# Altium PCB EVK-IRIS-W1.PcbDoc (part 9 of 9) (continued)
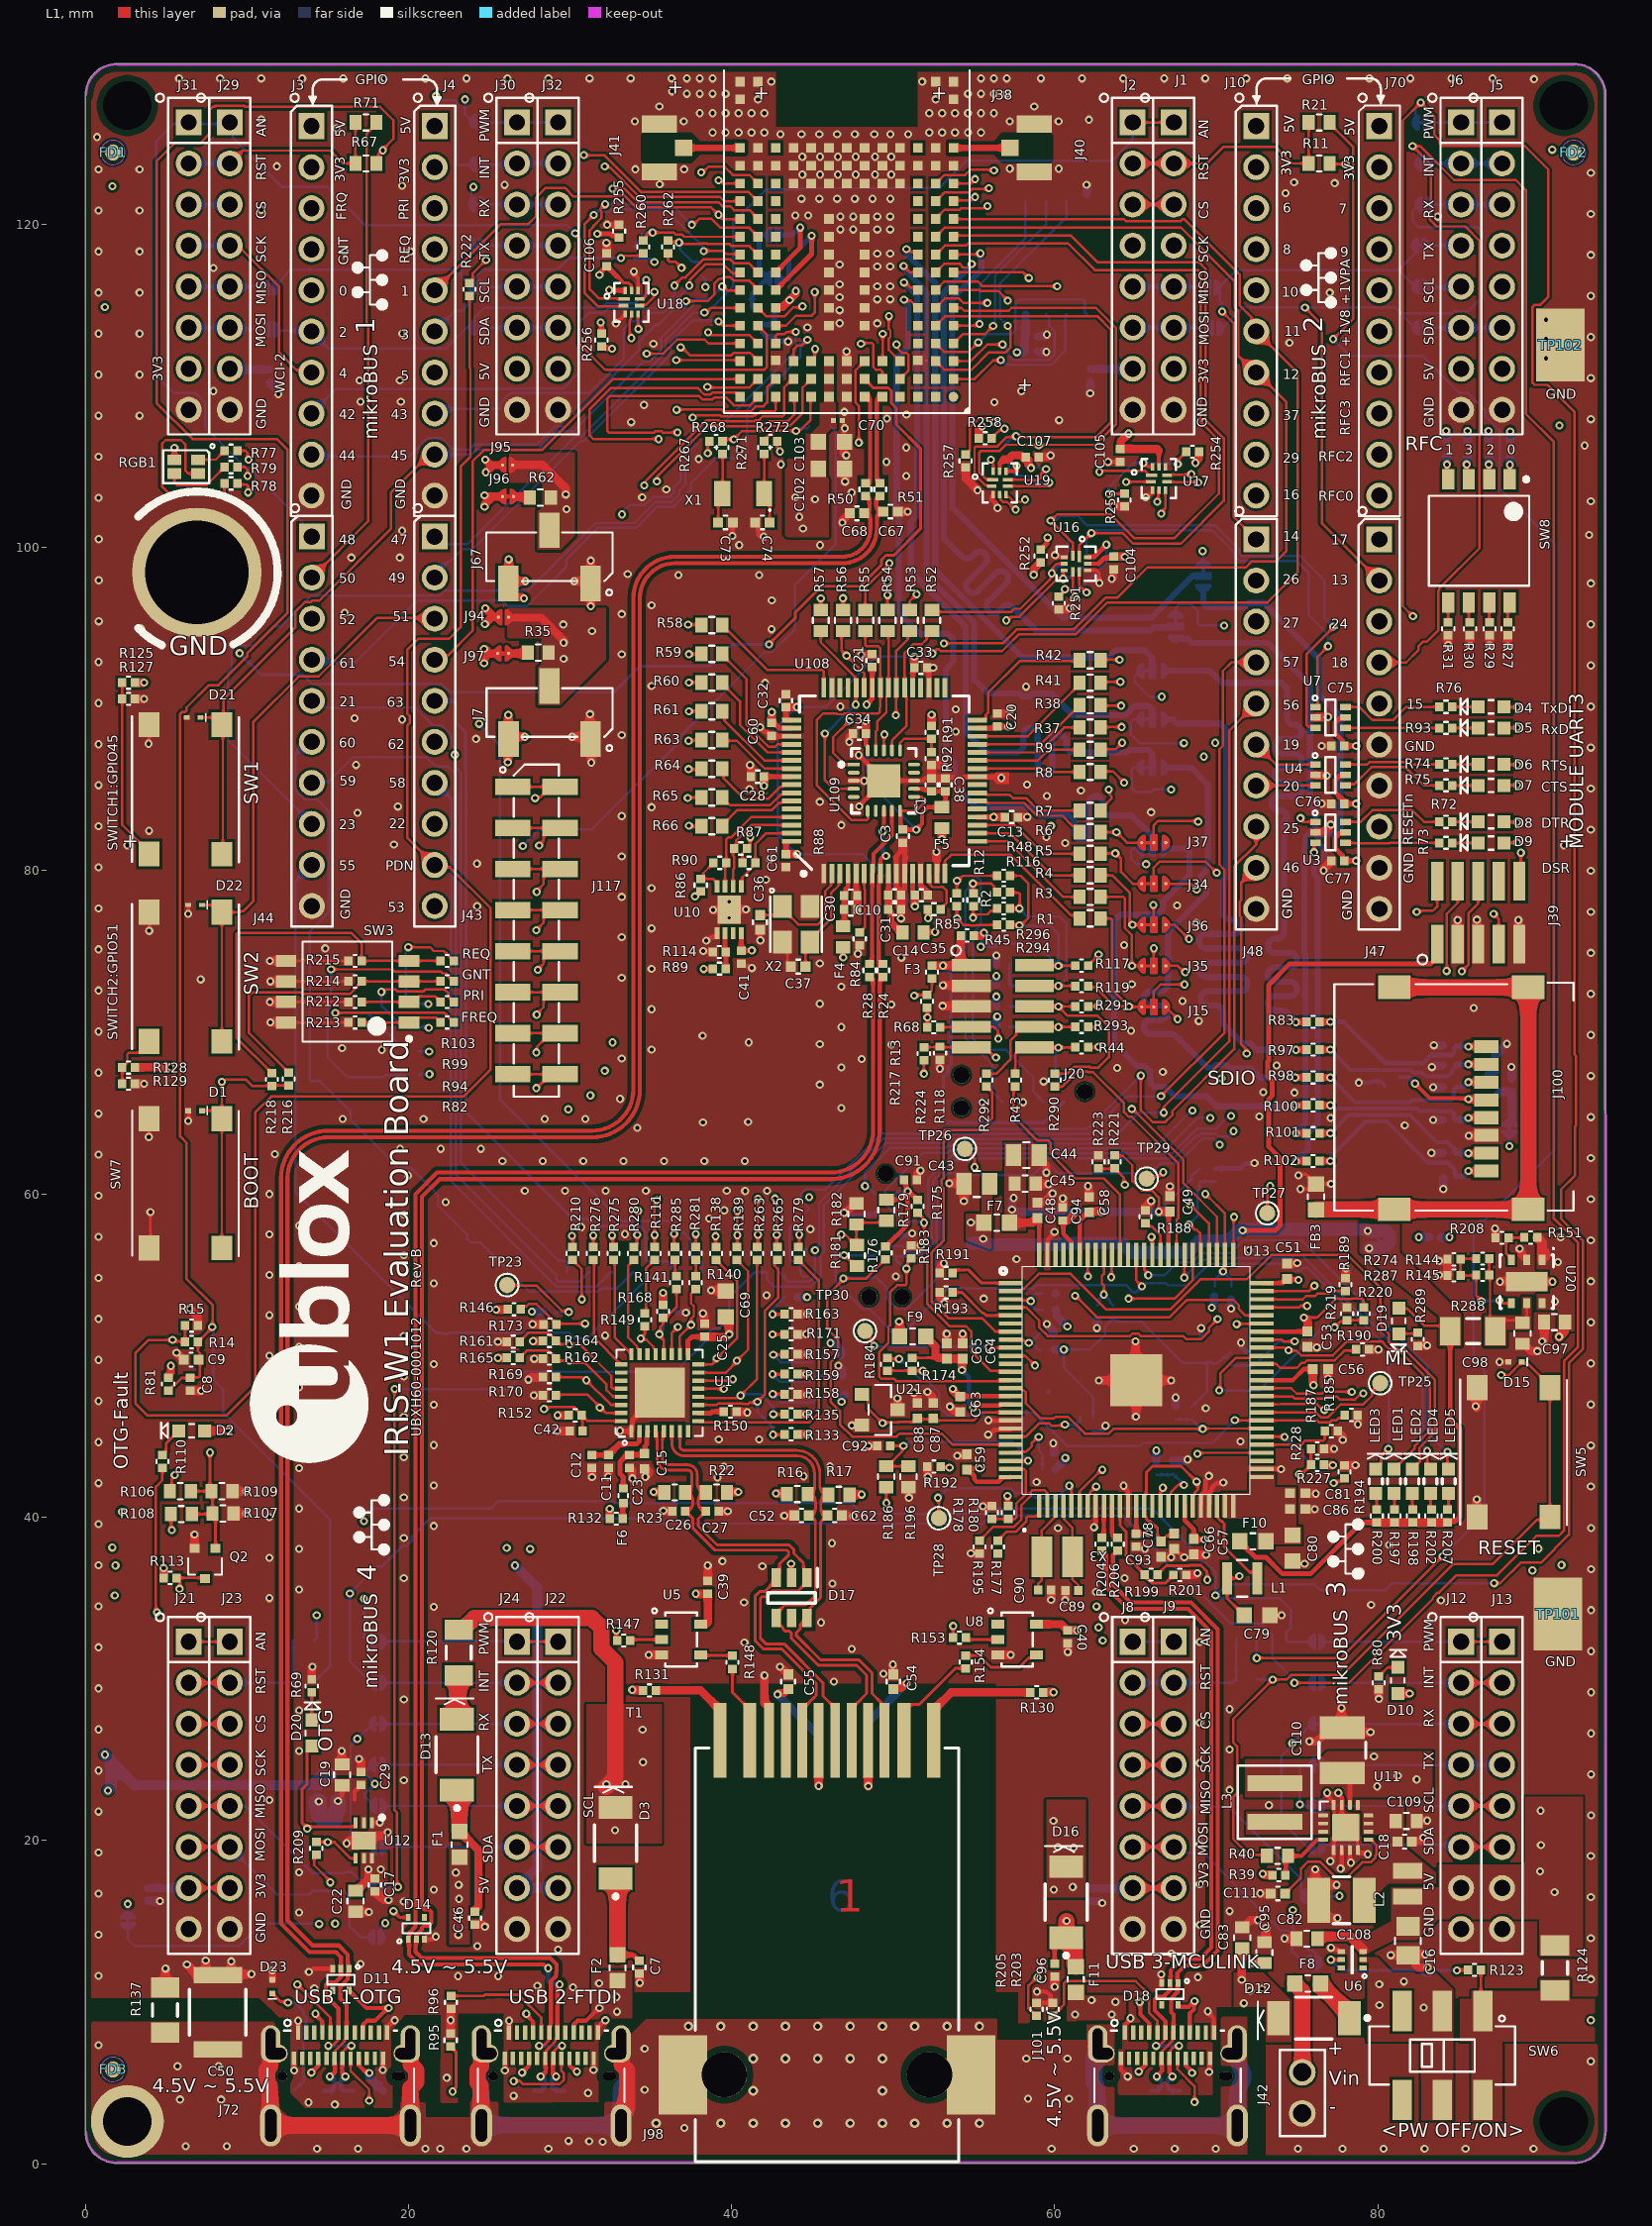
[diagram p0: L1 view]
## Other copper
L1:
  pour cut-out: 89.907,127.329 ccw(c91.507,127.329) 91.507,125.729 ccw(c91.507,127.329) 93.107,127.329 ccw(c91.507,127.329) 91.507,128.929 ccw(c91.507,127.329)
  pour cut-out: 1.007,127.329 ccw(c2.607,127.329) 2.607,125.729 ccw(c2.607,127.329) 4.207,127.329 ccw(c2.607,127.329) 2.607,128.929 ccw(c2.607,127.329)
  pour cut-out: 30.801,46.913 28.874,46.913 28.874,49.301 30.81,49.301
  pour cut-out: 33.531,54.735 33.003,54.735 33.003,57.123 33.002,57.123 33.541,57.123
  pour cut-out: 43.668,47.324 43.149,47.324 43.149,52.121 43.148,52.121 43.687,52.121
  pour cut-out: 75.256,7.442 74.727,7.442 74.727,9.83 74.726,9.83 75.265,9.83
  pour cut-out: 54.687,120.41 54.687,120.754 55.611,120.754 55.611,120.755 55.611,120.406
  pour cut-out: 43.428,115.699 42.063,115.699 42.063,118.567 42.062,118.567 43.44,118.567
  pour cut-out: 42.081,113.26 42.081,122.062 40.977,122.062 39.599,123.44 39.599,113.25
  pour cut-out: 45.507,109.094 43.38,109.094 43.38,111.962 45.519,111.962
  pour cut-out: 49.952,109.614 49.952,109.959 50.876,109.959 50.876,109.611
  pour cut-out: 50.876,113.414 50.876,118.762 51.981,118.762 51.981,113.41
  pour cut-out: 53.442,109.959 53.442,122.062 52.182,122.062 52.181,122.062 52.181,109.954
  pour cut-out: 0.279,10.262 0.33,10.262 10.77,10.262 11.989,9.042 12.687,9.042 12.687,4.382 13.614,3.454 19.025,3.454 19.025,5.582 18.86,5.747 18.923,5.811 18.923,8.23 19.787,9.189 22.028,9.198 21.999,3.759 23.063,3.759 23.063,9.296 25.908,9.296 25.908,3.759 31.75,3.806 31.75,7.62 32.563,8.992 33.856,8.992 33.849,10.617 57.76,10.617 57.76,8.687 61.329,8.687 61.329,8.865 64.181,8.865 64.181,7.061 63.936,7.061 63.897,4.245 69.748,4.245 69.748,7.645 70.005,7.645 70.005,9.703 73.076,9.703 73.076,0.127 72.085,0.127 72.085,9.166 70.256,9.152 70.256,2.946 63.703,2.87 63.703,8.611 61.974,8.598 61.974,7.645 56.439,7.645 56.439,8.989 32.888,8.915 32.117,7.62 32.131,2.87 25.56,2.87 25.583,8.733 23.825,8.733 23.825,2.87 21.057,2.87 21.057,8.687 19.761,8.687 19.075,8.001 19.075,5.867 19.507,5.436 19.507,3.353 19.025,2.87 12.598,2.87 12.04,3.429 12.04,6.172 12.167,6.172 12.497,6.502 12.471,6.528 12.471,7.163 12.421,7.163 12.116,7.468 12.116,8.357 12.065,8.357 11.506,8.915 0.279,8.915
  pour cut-out: 48.288,86.729 48.299,86.74 50.606,86.74 50.606,84.339 50.62,84.324 50.581,84.285 48.221,84.285 48.221,86.715 48.262,86.755
  pour cut-out: 56.363,9.809 56.363,29.715 37.43,29.715 37.43,9.809
  pour cut-out: 59.751,125.672 59.903,125.52 59.903,123.925 59.751,123.772 56.753,123.772 56.218,124.307 54.813,124.307 54.686,124.18 53.4,124.18 53.273,124.28 53.273,125.107 53.4,125.234 54.686,125.235 54.813,125.107 56.218,125.107 56.753,125.672
  pour cut-out: 34.536,123.752 34.383,123.904 34.383,125.499 34.536,125.652 37.534,125.652 38.069,125.117 39.473,125.117 39.601,125.244 40.887,125.244 41.014,125.144 41.014,124.317 40.887,124.19 39.601,124.189 39.473,124.317 38.069,124.317 37.534,123.752
  region net GND: 47.198,85.703 49.001,85.703 49.001,85.424 47.198,85.424 47.198,85.678
  region net GND: 54.615,85.957 54.615,85.678 55.783,85.678 55.808,85.652 56.189,85.652 56.189,85.627 56.443,85.373 57.18,85.373 57.18,86.084 56.367,86.084 56.24,85.957
  region net GND: 52.557,79.201 52.862,79.226 52.887,79.226 52.862,79.252 52.887,80.445 52.938,80.928 52.43,80.928 52.43,80.598 52.557,80.471 52.557,79.226 52.862,79.201 52.887,79.226
  text "1" at 46.439,15.577 h2
L3:
  pour cut-out: 89.907,127.329 ccw(c91.507,127.329) 91.507,125.729 ccw(c91.507,127.329) 93.107,127.329 ccw(c91.507,127.329) 91.507,128.929 ccw(c91.507,127.329)
  pour cut-out: 1.007,127.329 ccw(c2.607,127.329) 2.607,125.729 ccw(c2.607,127.329) 4.207,127.329 ccw(c2.607,127.329) 2.607,128.929 ccw(c2.607,127.329)
  pour cut-out: 0.254,10.262 0.305,10.262 10.744,10.262 11.963,9.042 12.661,9.042 12.661,4.382 13.589,3.454 18.999,3.454 18.999,5.582 18.834,5.747 18.898,5.811 18.898,8.23 19.576,9.209 22.009,9.172 21.973,3.759 23.038,3.759 23.038,9.296 25.883,9.296 25.883,3.759 31.725,3.806 31.725,7.62 32.537,8.992 33.831,8.992 33.824,10.617 57.734,10.617 57.734,8.687 61.303,8.687 61.303,8.865 64.156,8.865 64.156,7.061 63.91,7.061 63.872,4.245 69.723,4.245 69.723,7.645 69.979,7.645 69.979,9.703 73.05,9.703 73.05,0.127 72.06,0.127 72.06,9.166 70.231,9.152 70.231,2.946 63.678,2.87 63.678,8.611 61.949,8.598 61.949,7.62 56.413,7.62 56.413,8.989 32.863,8.915 32.092,7.62 32.106,2.87 25.535,2.87 25.558,8.733 23.8,8.733 23.8,2.87 21.031,2.87 21.031,8.687 19.736,8.687 19.05,8.001 19.05,5.867 19.482,5.436 19.482,3.353 18.999,2.87 12.573,2.87 12.014,3.429 12.014,6.172 12.141,6.172 12.471,6.502 12.446,6.528 12.446,7.163 12.395,7.163 12.09,7.468 12.09,8.357 12.04,8.357 11.481,8.915 0.254,8.915
  pour cut-out: 56.286,8.742 56.286,28.648 39.487,28.648 37.893,27.054 37.893,8.742
  text "3" at 46.185,15.577 h2
L4:
  pour cut-out: 89.907,127.329 ccw(c91.507,127.329) 91.507,125.729 ccw(c91.507,127.329) 93.107,127.329 ccw(c91.507,127.329) 91.507,128.929 ccw(c91.507,127.329)
  pour cut-out: 1.007,127.329 ccw(c2.607,127.329) 2.607,125.729 ccw(c2.607,127.329) 4.207,127.329 ccw(c2.607,127.329) 2.607,128.929 ccw(c2.607,127.329)
  pour cut-out: 0.279,10.262 0.33,10.262 10.77,10.262 11.989,9.042 12.687,9.042 12.687,4.382 13.614,3.454 19.025,3.454 19.025,5.582 18.86,5.747 18.923,5.811 18.923,8.23 19.476,9.165 22.034,9.192 21.999,3.759 23.063,3.759 23.063,9.296 25.908,9.296 25.908,3.759 31.75,3.806 31.75,7.62 32.563,8.992 33.856,8.992 33.849,10.617 57.76,10.617 57.76,8.687 61.329,8.687 61.329,8.865 64.181,8.865 64.181,7.061 63.936,7.061 63.897,4.245 69.748,4.245 69.748,7.645 70.005,7.645 70.005,9.703 73.076,9.703 73.076,0.127 72.085,0.127 72.085,9.166 70.256,9.152 70.256,2.946 63.703,2.87 63.703,8.611 61.974,8.598 61.974,7.645 56.439,7.645 56.439,8.989 32.888,8.915 32.117,7.62 32.131,2.87 25.56,2.87 25.583,8.733 23.825,8.733 23.825,2.87 21.057,2.87 21.057,8.687 19.761,8.687 19.075,8.001 19.075,5.867 19.507,5.436 19.507,3.353 19.025,2.87 12.598,2.87 12.04,3.429 12.04,6.172 12.167,6.172 12.497,6.502 12.471,6.528 12.471,7.163 12.421,7.163 12.116,7.468 12.116,8.357 12.065,8.357 11.506,8.915 0.279,8.915
  pour cut-out: 56.286,9.809 56.286,29.715 37.43,29.715 37.43,9.809
  text "4" at 45.931,15.577 h2
L2:
  pour cut-out: 0.279,10.262 0.33,10.262 10.77,10.262 11.989,9.042 12.687,9.042 12.687,4.382 13.614,3.454 19.025,3.454 19.025,5.582 18.86,5.747 18.923,5.811 18.923,8.23 19.551,9.239 22.035,9.261 21.999,3.759 23.063,3.759 23.063,9.296 25.908,9.296 25.908,3.759 31.75,3.806 31.75,7.62 32.563,8.992 33.856,8.992 33.849,10.617 57.76,10.617 57.76,8.687 61.329,8.687 61.329,8.865 64.181,8.865 64.181,7.061 63.936,7.061 63.897,4.245 69.748,4.245 69.748,7.645 70.005,7.645 70.005,9.703 73.076,9.703 73.076,0.127 72.085,0.127 72.085,9.166 70.256,9.152 70.256,2.946 63.703,2.87 63.703,8.611 61.974,8.598 61.974,7.62 56.439,7.62 56.439,8.989 32.888,8.915 32.117,7.62 32.131,2.87 25.56,2.87 25.583,8.733 23.825,8.733 23.825,2.87 21.057,2.87 21.057,8.687 19.761,8.687 19.075,8.001 19.075,5.867 19.507,5.436 19.507,3.353 19.025,2.87 12.598,2.87 12.04,3.429 12.04,6.172 12.167,6.172 12.497,6.502 12.471,6.528 12.471,7.163 12.421,7.163 12.116,7.468 12.116,8.357 12.065,8.357 11.506,8.915 0.279,8.915
  pour cut-out: 56.312,9.809 56.312,27.682 37.465,27.682 37.465,9.809
  text "2" at 45.931,15.577 h2
L5:
  pour cut-out: 0.279,10.262 0.33,10.262 10.77,10.262 11.989,9.042 12.687,9.042 12.687,4.382 13.614,3.454 19.025,3.454 19.025,5.582 18.86,5.747 18.923,5.811 18.923,8.23 19.507,9.166 22.034,9.21 21.999,3.759 23.063,3.759 23.063,9.296 25.908,9.296 25.908,3.759 31.75,3.806 31.75,7.62 32.563,8.992 33.856,8.992 33.849,10.617 57.76,10.617 57.76,8.687 61.329,8.687 61.329,8.865 64.181,8.865 64.181,7.061 63.936,7.061 63.892,3.806 69.748,3.806 69.748,7.645 70.005,7.645 70.005,9.703 73.076,9.703 73.076,0.127 72.085,0.127 72.085,9.166 70.256,9.152 70.256,2.946 63.703,2.87 63.703,8.611 61.974,8.598 61.974,7.62 56.439,7.62 56.439,8.989 32.888,8.915 32.117,7.62 32.131,2.87 25.56,2.87 25.583,8.733 23.825,8.733 23.825,2.87 21.057,2.87 21.057,8.687 19.761,8.687 19.075,8.001 19.075,5.867 19.507,5.436 19.507,3.353 19.025,2.87 12.598,2.87 12.04,3.429 12.04,6.172 12.167,6.172 12.497,6.502 12.471,6.528 12.471,7.163 12.421,7.163 12.116,7.468 12.116,8.357 12.065,8.357 11.506,8.915 0.279,8.915
  pour cut-out: 56.286,9.779 56.286,29.99 37.388,29.99 37.388,9.779
  text "5" at 46.185,15.577 h2
L6:
  pour cut-out: 89.907,127.329 ccw(c91.507,127.329) 91.507,125.729 ccw(c91.507,127.329) 93.107,127.329 ccw(c91.507,127.329) 91.507,128.929 ccw(c91.507,127.329)
  pour cut-out: 1.007,127.329 ccw(c2.607,127.329) 2.607,125.729 ccw(c2.607,127.329) 4.207,127.329 ccw(c2.607,127.329) 2.607,128.929 ccw(c2.607,127.329)
  pour cut-out: 0.279,10.262 0.33,10.262 10.77,10.262 11.989,9.042 12.687,9.042 12.687,4.382 13.614,3.454 19.025,3.454 19.025,5.582 18.86,5.747 18.923,5.811 18.923,8.23 19.415,9.18 22.034,9.202 21.999,3.759 23.063,3.759 23.063,9.296 25.908,9.296 25.908,3.759 31.75,3.806 31.75,7.62 32.563,8.992 33.856,8.992 33.849,10.617 57.76,10.617 57.76,8.687 61.329,8.687 61.329,8.865 64.181,8.865 64.181,7.061 63.936,7.061 63.897,4.245 69.748,4.245 69.748,7.645 70.005,7.645 70.005,9.703 73.076,9.703 73.076,0.127 72.085,0.127 72.085,9.166 70.256,9.152 70.256,2.946 63.703,2.87 63.703,8.611 61.974,8.598 61.974,7.645 56.439,7.645 56.439,8.989 32.888,8.915 32.117,7.62 32.131,2.87 25.56,2.87 25.583,8.733 23.825,8.733 23.825,2.87 21.057,2.87 21.057,8.687 19.761,8.687 19.075,8.001 19.075,5.867 19.507,5.436 19.507,3.353 19.025,2.87 12.598,2.87 12.04,3.429 12.04,6.172 12.167,6.172 12.497,6.502 12.471,6.528 12.471,7.163 12.421,7.163 12.116,7.468 12.116,8.357 12.065,8.357 11.506,8.915 0.279,8.915
  pour cut-out: 56.337,9.809 56.337,29.99 37.388,29.99 37.388,9.809
  text "6" at 45.931,15.577 h2
Multi-Layer:
  pour cut-out: 42.731,126.012 51.531,126.012 51.525,126.018 51.525,129.419 42.729,129.419 42.725,129.423
  pour cut-out: 45.277,18.479 48.071,18.479 48.071,14.669 45.277,14.669

## Silkscreen, mask and mechanical layers (free items; w line width, h text height)
Top Overlay:
  drawing of 96 lines, arcs and shapes, not listed
  text "GPIO" at 16.711,128.627 h0.61
  text "GPIO" at 75.316,128.627 h0.61
  text "+" at 36.009,127.738 h1.52
  text "+" at 41.349,127.37 h1.5
  text "+" at 52.349,127.37 h1.5
  text "5V" at 74.808,125.632 h0.61 r90
  text "5V" at 74.808,125.632 h0.61 r90
  text "5V" at 20.147,125.53 h0.61 r90
  text "5V" at 78.567,125.454 h0.61 r90
  text "5V" at 78.567,125.454 h0.61 r90
  text "AN" at 11.19,125.396 h0.61 r90
  text "5V" at 16.108,125.353 h0.61 r90
  text "AN" at 69.53,125.296 h0.61 r90
  text "PWM" at 83.475,125.221 h0.61 r90
  text "PWM" at 25.03,125.096 h0.61 r90
  text "3V3" at 74.626,122.967 h0.61 r90
  text "3V3" at 74.626,122.967 h0.61 r90
  text "INT" at 83.47,122.896 h0.61 r90
  text "INT" at 25.03,122.796 h0.61 r90
  text "RST" at 11.19,122.696 h0.61 r90
  text "RST" at 69.53,122.696 h0.61 r90
  text "3V3" at 78.526,122.671 h0.61 r90
  text "3V3" at 78.526,122.671 h0.61 r90
  text "3V3" at 16.067,122.569 h0.61 r90
  text "3V3" at 20.055,122.468 h0.61 r90
  text "6" at 74.125,120.701 h0.61
  text "7" at 77.57,120.625 h0.61
  text "RX" at 25.03,120.396 h0.61 r90
  text "RX" at 83.475,120.341 h0.61 r90
  text "CS" at 11.19,120.296 h0.61 r90
  text "CS" at 69.53,120.296 h0.61 r90
  text "FRQ" at 16.155,120.25 h0.61 r90
  text "PRI" at 20.016,120.25 h0.61 r90
  text "8" at 74.125,118.11 h0.61
  text "9" at 77.672,117.983 h0.61
  text "TX" at 25.03,117.796 h0.61 r90
  text "TX" at 83.475,117.801 h0.61 r90
  text "SCK" at 11.19,117.596 h0.61 r90
  text "SCK" at 69.53,117.596 h0.61 r90
  text "REQ" at 20.092,117.557 h0.61 r90
  text "GNT" at 16.299,117.441 h0.61 r90
  text "0" at 15.702,115.55 h0.61
  text "1" at 19.547,115.55 h0.61
  text "10" at 74.065,115.494 h0.61
  text "SCL" at 25.03,115.096 h0.61 r90
  text "SCL" at 83.47,115.096 h0.61 r90
  text "+1VPA" at 78.281,115.011 h0.61 r90
  text "MISO" at 11.19,114.996 h0.61 r90
  text "MISO" at 69.53,114.996 h0.61 r90
  text "2" at 76.959,113.277 h2 r90
  text "1" at 18.31,113.176 h2 r90
  text "11" at 74.192,113.081 h0.61
  text "2" at 15.702,112.995 h0.61
  text "3" at 19.547,112.851 h0.61
  text "SDA" at 83.475,112.521 h0.61 r90
  text "SDA" at 25.03,112.496 h0.61 r90
  text "MOSI" at 69.544,112.497 h0.61 r90
  text "+1V8" at 78.281,112.395 h0.61 r90
  text "MOSI" at 11.174,112.37 h0.61 r90
  text "4" at 15.702,110.459 h0.61
  text "12" at 74.125,110.388 h0.61
  text "5" at 19.547,110.311 h0.61
  text "5V" at 25.03,110.296 h0.61 r90
  text "5V" at 83.47,110.296 h0.61 r90
  text "3V3" at 4.801,110.242 h0.61 r90
  text "3V3" at 69.53,110.096 h0.61 r90
  text "RFC1" at 78.271,109.957 h0.61 r90
  text "WCI-2" at 12.368,109.525 h0.61 r90
  text "+" at 57.664,109.318 h1.5
  text "GND" at 90.378,109.163 h0.61
  text "42" at 15.702,107.93 h0.61
  text "43" at 18.912,107.93 h0.61
  text "37" at 74.125,107.848 h0.61
  text "GND" at 25.03,107.396 h0.61 r90
  text "GND" at 69.43,107.396 h0.61 r90
  text "GND" at 83.47,107.396 h0.61 r90
  text "GND" at 11.19,107.296 h0.61 r90
  text "RFC3" at 78.271,106.909 h0.61 r90
  text "mikroBUS" at 18.389,106.656 h1.5 r90
  text "mikroBUS" at 77.097,106.657 h1.5 r90
  text "1" at 84.155,105.744 h0.61
  text "3" at 85.349,105.744 h0.61
  text "2" at 86.695,105.744 h0.61
  text "0" at 87.991,105.744 h0.61
  text "RFC" at 81.686,105.689 h1.5
  text "44" at 15.702,105.39 h0.61
  text "45" at 18.912,105.39 h0.61
  text "RFC2" at 76.325,105.308 h0.61
  text "29" at 74.125,105.232 h0.61
  text "16" at 74.125,102.946 h0.61
  text "RFC0" at 76.325,102.87 h0.61
  text "GND" at 19.811,102.344 h0.61 r90
  text "GND" at 16.459,102.319 h0.61 r90
  text "14" at 74.125,100.381 h0.61
  text "48" at 15.702,100.151 h0.61
  text "47" at 18.912,100.151 h0.61
  text "17" at 77.125,100.152 h0.61
  text "49" at 18.776,97.819 h0.61
  text "50" at 15.702,97.77 h0.61
  text "26" at 74.125,97.714 h0.61
  text "13" at 77.125,97.688 h0.61
  text "51" at 19.03,95.419 h0.61
  text "52" at 15.702,95.23 h0.61
  text "27" at 74.125,95.021 h0.61
  text "24" at 77.125,94.945 h0.61
  text "GND" at 5.197,92.925 h2
  text "54" at 18.776,92.619 h0.61
  text "57" at 74.125,92.583 h0.61
  text "18" at 77.125,92.558 h0.61
  text "61" at 15.722,92.523 h0.61
  text "21" at 15.722,90.146 h0.61
  text "63" at 18.674,90.119 h0.61
  text "15" at 81.785,89.985 h0.61
  text "56" at 74.125,89.941 h0.61
  text "TxD" at 90.127,89.738 h0.61
  text "RxD" at 90.127,88.438 h0.61
  text "60" at 15.702,87.61 h0.61
  text "62" at 18.75,87.519 h0.61
  text "19" at 74.125,87.478 h0.61
  text "GND" at 81.659,87.401 h0.61
  text "RTS" at 90.127,86.182 h0.61
  text "59" at 15.722,85.229 h0.61
  text "58" at 18.801,85.119 h0.61
  text "20" at 74.125,84.912 h0.61
  text "CTS" at 90.127,84.882 h0.61
  text "DTR" at 90.127,82.626 h0.61
  text "22" at 18.801,82.599 h0.61
  text "23" at 15.702,82.53 h0.61
  text "25" at 74.125,82.296 h0.61
  text "RESETn" at 82.167,81.559 h0.61 r90
  text "MODULE UART3" at 93.038,81.331 h1.5 r90
  text "SWITCH1:GPIO45" at 2,81.235 h0.61 r90
  text "+" at 2.275,81.093 h1.52
  text "+" at 91.175,81.093 h1.52
  text "55" at 15.702,79.99 h0.61
  text "PDN" at 18.577,79.99 h0.61
  text "46" at 74.125,79.889 h0.61
  text "DSR" at 90.149,79.856 h0.61
  text "GND" at 82.218,79.197 h0.61 r90
  text "53" at 18.742,77.436 h0.61
  text "GND" at 16.418,76.974 h0.61 r90
  text "GND" at 74.702,76.993 h0.61 r90
  text "GND" at 74.702,76.993 h0.61 r90
  text "GND" at 78.41,76.917 h0.61 r90
  text "GND" at 78.41,76.917 h0.61 r90
  text "REQ" at 23.341,74.548 h0.61
  text "GNT" at 23.341,73.262 h0.61
  text "PRI" at 23.393,71.984 h0.61
  text "FREQ" at 23.266,70.637 h0.61
  text "SWITCH2:GPIO51" at 2,69.526 h0.61 r90
  text "SDIO" at 69.444,66.421 h1.5
  text "BOOT" at 11,59.03 h1.5 r90
  text "Rev B" at 20.8,54.162 h0.61 r90
  text "ML" at 80.44,49.098 h1.5
  text "UBXH60-0001012" at 20.8,44.983 h0.61 r90
  text "IRIS-W1 Evaluation Board" at 20.472,43.739 h2.54 r90
  text "OTG-Fault" at 2.943,42.958 h1.5 r90
  text "RESET" at 86.181,37.363 h1.5
  text "4" at 18.398,36.068 h2 r90
  text "3" at 78.39,35.001 h2 r90
  text "3V3" at 81.742,32.288 h1.5 r90
  text "AN" at 69.636,31.976 h0.61 r90
  text "AN" at 11.165,31.748 h0.61 r90
  text "PWM" at 83.476,31.676 h0.61 r90
  text "PWM" at 25.005,31.448 h0.61 r90
  text "GND" at 90.353,30.754 h0.61
  text "INT" at 83.476,29.376 h0.61 r90
  text "mikroBUS" at 18.398,29.362 h1.5 r90
  text "RST" at 69.636,29.276 h0.61 r90
  text "INT" at 25.005,29.148 h0.61 r90
  text "RST" at 11.165,29.048 h0.61 r90
  text "mikroBUS" at 78.433,28.362 h1.5 r90
  text "RX" at 83.476,26.976 h0.61 r90
  text "CS" at 69.636,26.876 h0.61 r90
  text "RX" at 25.005,26.748 h0.61 r90
  text "CS" at 11.165,26.648 h0.61 r90
  text "OTG" at 15.619,25.476 h1.5 r90
  text "TX" at 83.476,24.376 h0.61 r90
  text "SCK" at 69.636,24.176 h0.61 r90
  text "TX" at 25.195,24.155 h0.61 r90
  text "SCK" at 11.165,23.948 h0.61 r90
  text "SCL" at 83.476,21.676 h0.61 r90
  text "MISO" at 69.636,21.576 h0.61 r90
  text "SCL" at 31.469,21.387 h0.61 r90
  text "MISO" at 11.149,21.336 h0.61 r90
  text "SDA" at 83.476,19.076 h0.61 r90
  text "MOSI" at 69.493,19.025 h0.61 r90
  text "MOSI" at 11.124,18.669 h0.61 r90
  text "SDA" at 25.246,18.593 h0.61 r90
  text "3V3" at 69.52,17.05 h0.61 r90
  text "5V" at 83.476,16.876 h0.61 r90
  text "5V" at 25.005,16.648 h0.61 r90
  text "3V3" at 11.165,16.348 h0.61 r90
  text "GND" at 83.476,13.976 h0.61 r90
  text "GND" at 69.636,13.876 h0.61 r90
  text "GND" at 11.165,13.648 h0.61 r90
  text "USB 3-MCULINK" at 63.143,11.76 h1.5
  text "4.5V ~ 5.5V" at 18.947,11.455 h1.5
  text "USB 1-OTG" at 12.958,9.576 h1.5
  text "USB 2-FTDI" at 26.211,9.576 h1.5
  text "+" at 76.888,6.411 h1.5
  text "Vin" at 76.966,4.55 h1.5
  text "4.5V ~ 5.5V" at 4.166,4.089 h1.5
  text "-" at 77.001,2.812 h1.5
  text "4.5V ~ 5.5V" at 60.705,2.235 h1.5 r90
  text "<PW OFF/ON>" at 80.213,1.346 h1.5
  text ".Layer_Name" at 215.73,-11.166 h0.61
Bottom Overlay:
  drawing of 463 lines, arcs and shapes, not listed
  text "GPIO" at 18.806,128.853 h0.61
  text "GPIO" at 77.912,128.752 h0.61
  text "5V" at 74.801,126.619 h0.61 r90
  text "5V" at 15.809,126.567 h0.61 r90
  text "5V" at 20.406,126.567 h0.61 r90
  text "5V" at 78.535,126.441 h0.61 r90
  text "PWM" at 32.116,126.009 h0.61
  text "AN" at 63.154,125.983 h0.61
  text "AN" at 4.988,125.932 h0.61
  text "PWM" at 89.139,125.602 h0.61 r270
  text "3V3" at 74.624,124.562 h0.61 r90
  text "3V3" at 20.33,124.256 h0.61 r90
  text "3V3" at 78.51,124.257 h0.61 r90
  text "3V3" at 15.707,124.205 h0.61 r90
  text "INT" at 32.268,123.621 h0.61
  text "RST" at 5.014,123.545 h0.61
  text "INT" at 90.713,123.545 h0.61
  text "RST" at 63.332,123.418 h0.61
  text "SRAM" at 60.196,122.377 h0.61
  text "FRQ" at 15.809,121.64 h0.61 r90
  text "PRI" at 20.508,121.64 h0.61 r90
  text "CS" at 63.575,120.955 h0.61
  text "RX" at 90.459,120.852 h0.61
  text "CS" at 4.658,120.776 h0.61
  text "6" at 74.497,120.752 h0.61
  text "7" at 77.875,120.625 h0.61
  text "RX" at 33.755,119.583 h0.61 r270
  text "REQ" at 20.533,119.278 h0.61 r90
  text "GNT" at 15.783,118.998 h0.61 r90
  text "SCK" at 4.734,118.49 h0.61
  text "TX" at 90.764,118.16 h0.61
  text "8" at 74.547,118.059 h0.61
  text "9" at 78.078,118.008 h0.61
  text "SCK" at 63.219,117.983 h0.61 r270
  text "+VPA" at 78.23,117.221 h0.61 r90
  text "SCL" at 32.42,115.849 h0.61
  text "MISO" at 4.811,115.722 h0.61
  text "SCL" at 90.739,115.645 h0.61
  text "0" at 15.783,115.55 h0.61
  text "1" at 20.228,115.55 h0.61
  text "10" at 74.903,115.468 h0.61
  text "MISO" at 63.219,115.062 h0.61 r270
  text "1" at 17.497,114.977 h2 r270
  text "+1V8" at 78.256,114.529 h0.61 r90
  text "2" at 76.171,114.09 h2 r270
  text "SDA" at 32.217,113.309 h0.61
  text "MOSI" at 4.709,113.283 h0.61
  text "11" at 74.903,113.055 h0.61
  text "3" at 20.228,113.01 h0.61
  text "2" at 15.783,112.851 h0.61
  text "SDA" at 88.885,112.851 h0.61 r270
  text "MOSI" at 63.117,112.471 h0.61 r270
  text "5V" at 32.014,110.794 h0.61
  text "3V3" at 70.509,110.744 h0.61
  text "3V3" at 4.836,110.692 h0.61
  text "5V" at 88.885,110.438 h0.61 r270
  text "12" at 74.954,110.363 h0.61
  text "4" at 15.783,110.311 h0.61
  text "5" at 20.228,110.311 h0.61
  text "RFC1" at 77.672,110.033 h0.61 r270
  text "GND" at 92.278,109.83 h0.61 r180
  text "GND" at 90.51,108.762 h0.61 r180
  text "GND" at 70.255,108.61 h0.61 r180
  text "GND" at 4.811,108.406 h0.61
  text "mikroBUS" at 17.345,108.297 h1.5 r270
  text "GND" at 63.231,108.178 h0.61
  text "GND" at 30.693,108.152 h0.61
  text "37" at 75.005,107.848 h0.61
  text "42" at 16.418,107.771 h0.61
  text "43" at 20.228,107.771 h0.61
  text "mikroBUS" at 76.12,107.408 h1.5 r270
  text "RFC3" at 77.722,106.909 h0.61 r270
  text "29" at 74.954,105.359 h0.61
  text "RFC2" at 78.408,105.283 h0.61
  text "44" at 16.418,105.231 h0.61
  text "45" at 20.228,105.231 h0.61
  text "GND" at 19.811,103.898 h0.61 r90
  text "16" at 74.979,102.946 h0.61
  text "GND" at 12.873,102.907 h0.61
  text "GND" at 8.657,102.875 h2
  text "RFC0" at 78.484,102.87 h0.61
  text "14" at 74.979,100.406 h0.61
  text "48" at 16.418,100.151 h0.61
  text "47" at 20.228,100.151 h0.61
  text "17" at 77.951,100.152 h0.61
  text "RFC1" at 84.047,100 h0.61 r270
  text "RFC3" at 85.292,100 h0.61 r270
  text "RFC2" at 86.612,100 h0.61 r270
  text "RFC0" at 87.908,100 h0.61 r270
  text "50" at 16.418,97.77 h0.61
  text "49" at 20.228,97.77 h0.61
  text "13" at 78.027,97.765 h0.61
  text "26" at 75.106,97.714 h0.61
  text "52" at 16.418,95.23 h0.61
  text "51" at 20.228,95.23 h0.61
  text "27" at 74.954,95.072 h0.61
  text "24" at 78.129,94.945 h0.61
  text "61" at 16.418,92.69 h0.61
  text "54" at 20.228,92.69 h0.61
  text "57" at 74.979,92.583 h0.61
  text "18" at 78.027,92.558 h0.61
  text "GND" at 7.339,91.846 h0.61
  text "21" at 16.418,90.15 h0.61
  text "63" at 20.228,90.15 h0.61
  text "56" at 75.106,89.967 h0.61
  text "15" at 78.562,89.865 h0.61
  text "GND" at 78.485,88.404 h0.61 r90
  text "60" at 16.418,87.61 h0.61
  text "62" at 20.228,87.61 h0.61
  text "19" at 75.03,87.503 h0.61
  text "GND" at 78.612,85.864 h0.61 r90
  text "59" at 16.418,85.07 h0.61
  text "58" at 20.228,85.07 h0.61
  text "20" at 75.106,84.988 h0.61
  text "RESETn" at 82.128,84.53 h0.61 r90
  text "23" at 16.418,82.689 h0.61
  text "22" at 20.228,82.689 h0.61
  text "25" at 75.106,82.321 h0.61
  text "PDN" at 20.559,80.009 h0.61
  text "55" at 16.418,79.99 h0.61
  text "46" at 74.977,79.9 h0.61
  text "GND" at 81.405,79.096 h0.61 r270
  text "GND" at 12.583,78.587 h0.61 r90
  text "GND" at 71.181,77.495 h0.61
  text "53" at 20.266,77.461 h0.61
  text "GND" at 82.752,77.191 h0.61
  text "ISP0" at 18.873,71.449 h0.61
  text "ISP2" at 18.873,70.001 h0.61
  text "ISP3" at 18.873,68.604 h0.61
  text "ISP1" at 18.873,66.953 h0.61
  text "Module SWD" at 49.759,65.913 h2
  text "ML SWD" at 53.569,53.416 h2 r270
  text "PWM" at 32.522,39.928 h0.61
  text "INT" at 32.674,37.54 h0.61
  text "RX" at 32.42,34.848 h0.61
  text "4" at 15.215,32.969 h2 r270
  text "TX" at 32.725,32.156 h0.61
  text "AN" at 63.281,32.157 h0.61
  text "AN" at 5.268,32.055 h0.61
  text "PWM" at 83.514,32.004 h0.61
  text "GND" at 91.965,31.283 h0.61 r180
  text "SCL" at 32.7,29.641 h0.61
  text "RST" at 5.065,29.515 h0.61
  text "INT" at 91.247,29.464 h0.61
  text "RST" at 63.358,29.363 h0.61
  text "SDA" at 32.624,27.228 h0.61
  text "CS" at 63.129,27.051 h0.61
  text "CS" at 4.963,27.026 h0.61
  text "RX" at 90.993,26.772 h0.61
  text "mikroBUS" at 15.213,26.187 h1.5 r270
  text "3" at 72.154,25.3 h2 r270
  text "5V" at 32.42,24.713 h0.61
  text "SCK" at 4.861,24.562 h0.61
  text "SCK" at 63.256,24.181 h0.61
  text "TX" at 91.298,24.079 h0.61
  text "GND" at 31.201,22.25 h0.61
  text "MISO" at 63.281,21.92 h0.61
  text "MISO" at 4.785,21.692 h0.61
  text "SCL" at 91.272,21.565 h0.61
  text "MOSI" at 63.053,19.253 h0.61
  text "SDA" at 91.196,19.152 h0.61
  text "MOSI" at 4.811,18.974 h0.61
  text "mikroBUS" at 72.209,18.433 h1.5 r270
  text "3V3" at 70.534,16.789 h0.61
  text "3V3" at 11.835,16.764 h0.61
  text "5V" at 88.91,16.536 h0.61 r270
  text ".GlobalProjectLink" at 55.04,16.104 h1.91
  text "GND" at 63.078,14.377 h0.61
  text "GND" at 11.809,14.173 h0.61
  text "GND" at 84.008,13.615 h0.61 r90
  text "RoHS" at 31.875,11.811 h0.61 r270
  text ".Layer_Name" at 215.73,-32.172 h0.61
Top Paste:
  rectangle: 209.126,-8.854 213.952,-6.441
  lines w0.2: 209.126,-8.854 232.494,-8.854 232.494,-6.441 209.126,-6.441
  text ".Layer_Name" at 215.73,-8.169 h0.61
Bottom Paste:
  rectangle: 209.126,-35.855 213.952,-33.442
  lines w0.2: 232.494,-35.855 209.126,-35.855 209.126,-33.442 232.494,-33.442
  text ".Layer_Name" at 215.73,-35.169 h0.61
Top Solder:
  rectangle: 209.126,-14.849 213.952,-12.436
  lines w0.2: 209.126,-14.849 232.494,-14.849 232.494,-12.436 209.126,-12.436 209.126,-14.849
  text ".Layer_Name" at 215.73,-14.163 h0.61
Bottom Solder:
  rectangle: 209.126,-29.86 213.952,-27.447
  lines w0.2: 209.126,-29.86 209.126,-27.447 232.494,-27.447 232.494,-29.86 209.126,-29.86
  text ".Layer_Name" at 215.73,-29.174 h0.61
Route Tool Path:
  rectangle: 209.126,18.134 213.952,20.547
  lines w0.2: 209.126,18.134 232.494,18.134 232.494,20.547 209.126,20.547 209.126,18.134
  text ".Layer_Name" at 215.73,18.819 h0.61
Border & Title:
  drawing of 52 lines, arcs and shapes, not listed
  text "1" at -0.948,136.304 h0.61
  text "2" at 68.919,136.304 h0.61
  text "3" at 138.642,136.304 h0.61
  text "4" at 208.518,136.304 h0.61
  text "REVISION" at 189.524,130.402 h0.61
  text "REV" at 153.71,126.084 h0.61
  text "DESCRIPTION" at 164.632,126.084 h0.61
  text "DATE" at 214.416,126.084 h0.61
  text "BY" at 230.418,126.084 h0.61
  text "Rev1" at 153.71,122.274 h0.61
  text ".ReleaseDesc1" at 164.632,122.274 h0.61
  text ".ReleaseBy1" at 229.148,122.274 h0.61
  text ".ReleaseDate1" at 212.384,122.02 h0.61
  text ".ReleaseBy2" at 229.148,118.464 h0.61
  text ".ReleaseDate2" at 212.384,118.21 h0.61
  text ".ReleaseRev2" at 152.942,115.438 h0.61
  text ".ReleaseDesc2" at 163.864,115.438 h0.61
  text ".ReleaseDate3" at 212.384,114.654 h0.61
  text ".ReleaseBy3" at 229.148,114.654 h0.61
  text ".ReleaseRev3" at 152.942,111.628 h0.61
  text ".ReleaseDesc3" at 163.864,111.628 h0.61
  text "A" at -33.367,110.446 h0.61
  text "A" at 240.953,110.446 h0.61
  text "B" at -33.367,56.471 h0.61
  text "B" at 240.953,56.471 h0.61
  text "LAYER USAGE" at 210.396,21.956 h0.61
  text "C" at -33.367,2.496 h0.61
  text "C" at 240.953,2.496 h0.61
  text "D" at -33.367,-51.352 h0.61
  text "D" at 240.953,-51.352 h0.61
  text "PROJECT:" at 163.56,-54.603 h0.61
  text "ENGINEER:" at 125.053,-54.628 h0.61
  text ".ProjectEngineer" at 136.692,-56.288 h0.61
  text ".GlobalProjectName" at 174.538,-56.288 h0.61
  text "PCB NAME:" at 163.433,-60.038 h0.61
  text "DATE:" at 125.129,-60.14 h0.61
  text "REV:" at 216.747,-60.369 h0.61
  text ".GlobalProjectRevision" at 223.996,-62.263 h0.61
  text ".GlobalReleaseDate" at 132.374,-62.384 h0.61
  text ".PCBName" at 174.538,-62.384 h0.61
  text "DWG NO:" at 125.262,-66.448 h0.61
  text "FILE NAME:" at 163.362,-66.448 h0.61
  text "SCALE:" at 216.62,-66.642 h0.61
  text "CONFIDENTIAL" at 95.655,-68.575 h0.61
  text ".Pcb_File_Name_No_Path" at 165.648,-69.242 h0.61
  text "1:1" at 225.332,-69.36 h0.61
  text ".PCBDocNum" at 131.866,-69.496 h0.61
  text "1" at -0.948,-74.516 h0.61
  text "2" at 68.919,-74.516 h0.61
  text "3" at 138.642,-74.516 h0.61
  text "4" at 208.518,-74.516 h0.61
Fabrication Notes:
  rectangle: 209.126,15.25 213.952,17.663
  lines w0.2: 209.126,15.25 232.494,15.25 232.494,17.663 209.126,17.663 209.126,15.25
  text ".Layer_Name" at 215.73,15.936 h0.61
Rigid Outline:
  rectangle: 209.126,12.253 213.952,14.666
  lines w0.2: 209.126,12.253 209.126,14.666 232.494,14.666 232.494,12.253 209.126,12.253
  text ".Layer_Name" at 215.73,12.939 h0.61
Ref Des Top:
  rectangle: 209.126,9.256 213.952,11.669
  lines w0.2: 209.126,9.256 209.126,11.669 232.494,11.669 232.494,9.256 209.126,9.256
  text "U10" at 39.062,78.401 h0.61
  text ".Layer_Name" at 215.73,9.942 h0.61
Ref Des Bottom:
  rectangle: 209.126,6.208 213.952,8.621
  lines w0.2: 209.126,6.208 209.126,8.621 232.494,8.621 232.494,6.208 209.126,6.208
  text ".Layer_Name" at 215.73,6.894 h0.61
Assembly Top:
  rectangle: 209.126,3.261 213.952,5.674
  lines w0.2: 209.126,3.261 232.494,3.261 232.494,5.674 209.126,5.674 209.126,3.261
  text ".Layer_Name" at 215.73,3.947 h0.61
Assembly Bottom:
  rectangle: 209.126,0.264 213.952,2.677
  lines w0.2: 209.126,0.264 232.494,0.264 232.494,2.677 209.126,2.677 209.126,0.264
  text "U2" at 57.582,1.651 h0.61
  text ".Layer_Name" at 215.73,0.95 h0.61
Courtyard Top:
  rectangle: 209.126,-2.784 213.952,-0.371
  lines w0.2: 209.126,-2.784 232.494,-2.784 232.494,-0.371 209.126,-0.371 209.126,-2.784
  text ".Layer_Name" at 215.73,-2.098 h0.61
Coutryard Bottom:
  rectangle: 209.126,-5.832 213.952,-3.419
  lines w0.2: 209.126,-5.832 232.494,-5.832 232.494,-3.419 209.126,-3.419 209.126,-5.832
  text ".Layer_Name" at 215.73,-5.146 h0.61